# Altium PCB FYDP_rev1_revised_Cout.PcbDoc
Units mm, origin at the board's own origin, x right, y up, seen from the top; angles counter-clockwise.
Board outline 45 x 65 mm, 4 copper layers (Top Layer, GND1, GND2, Bottom Layer), stack 1.57 mm thick; 73 components, 47 nets, 221 pads, 198 vias.
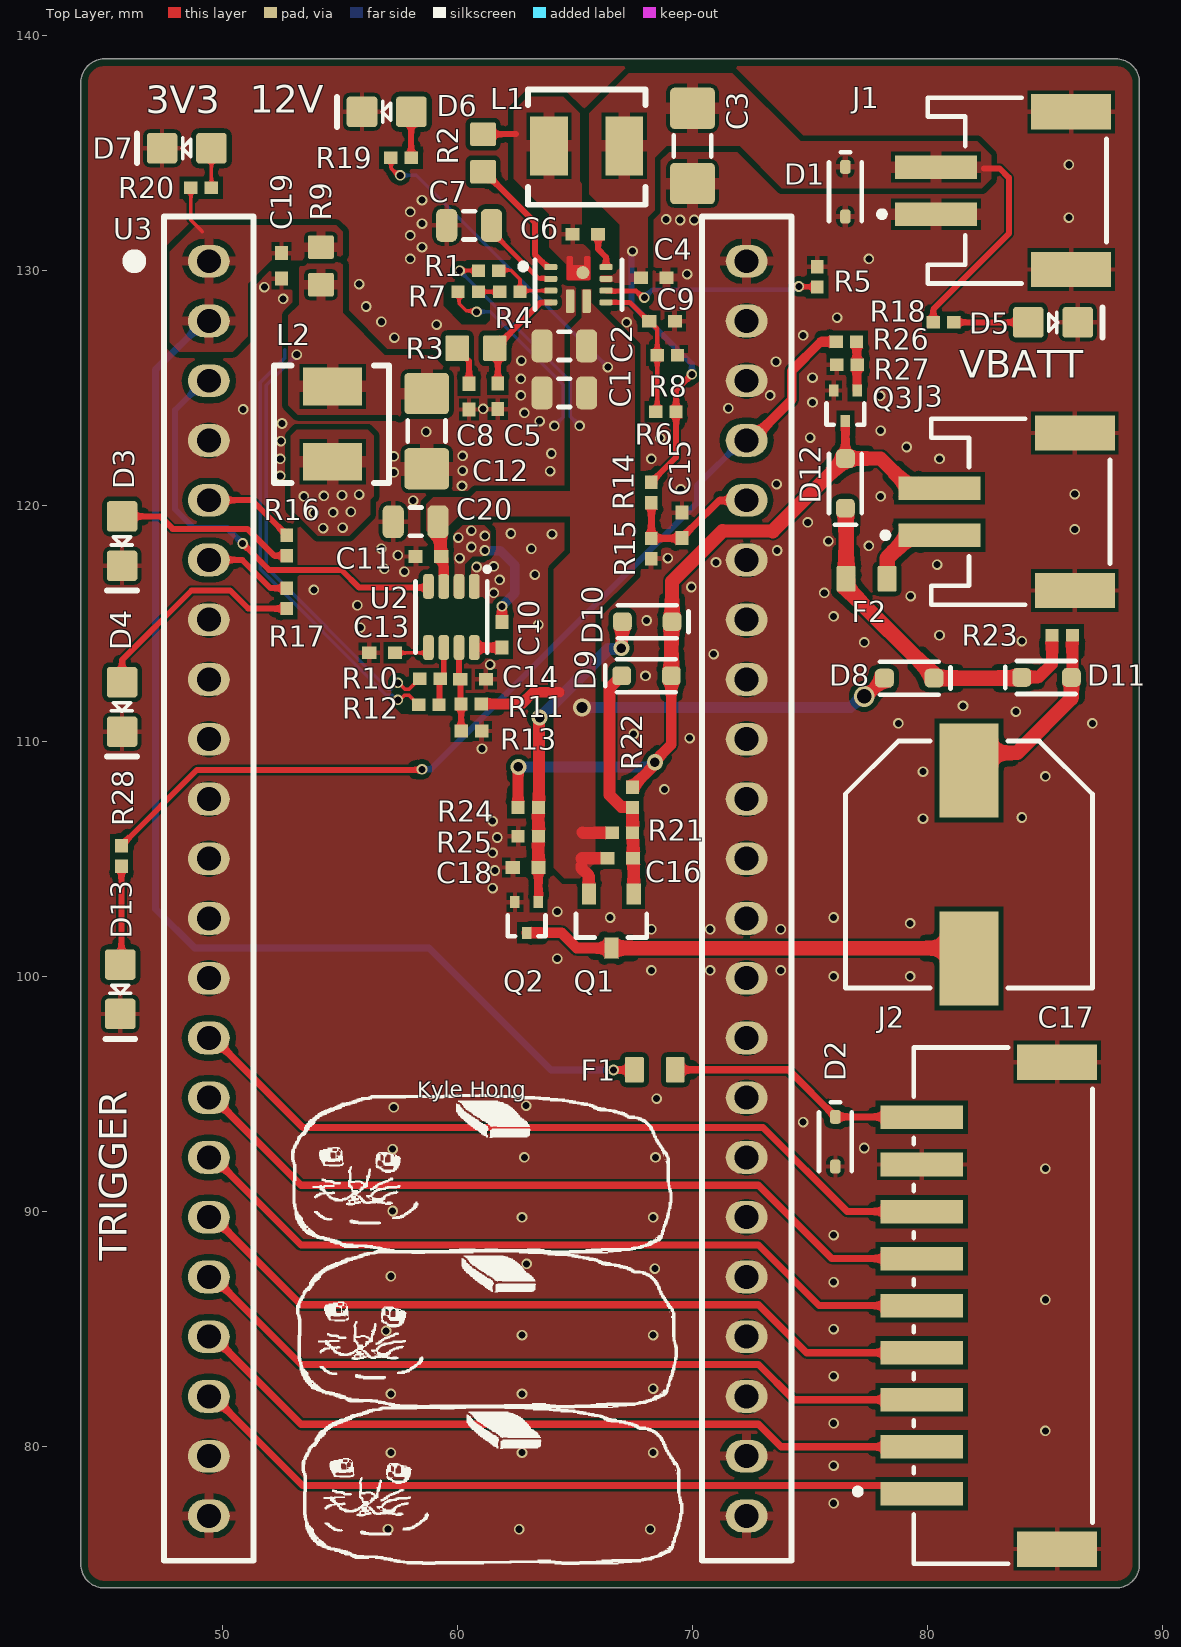
[diagram p0: Top Layer view]
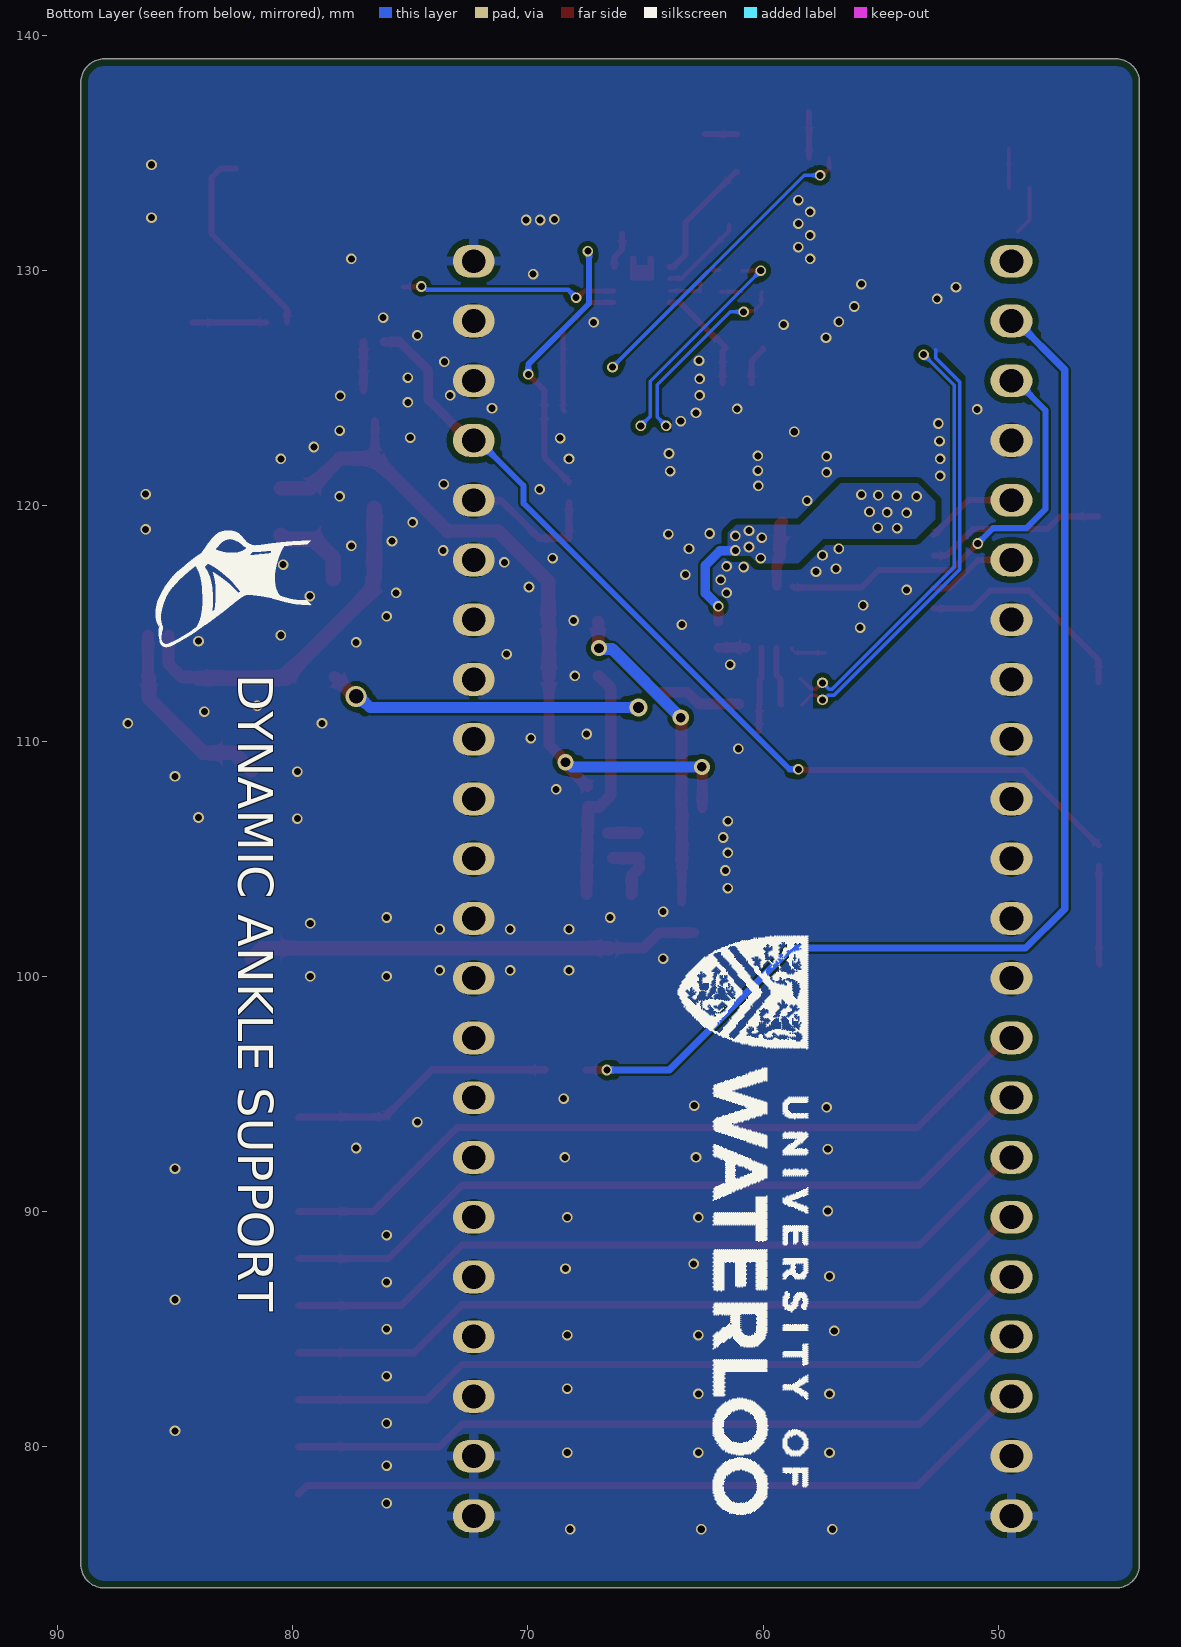
[diagram p1: Bottom Layer view, seen from below]
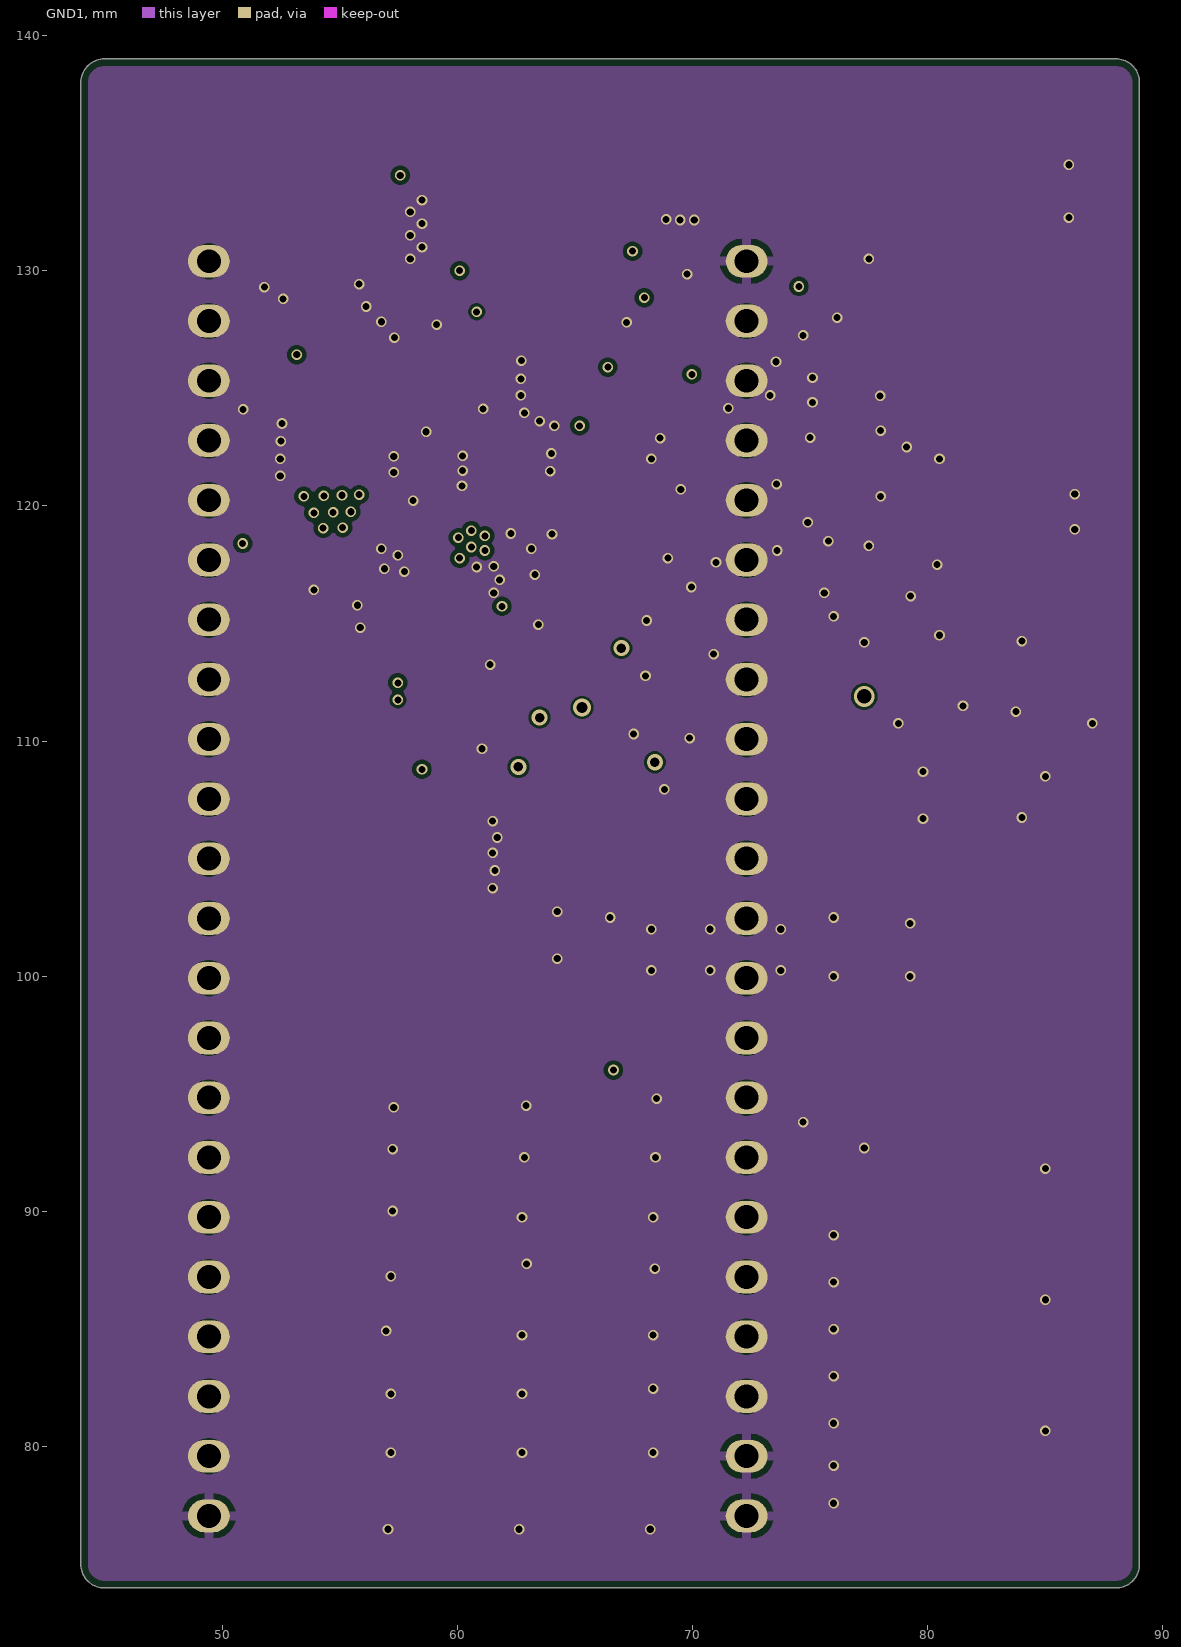
[diagram p2: GND1]
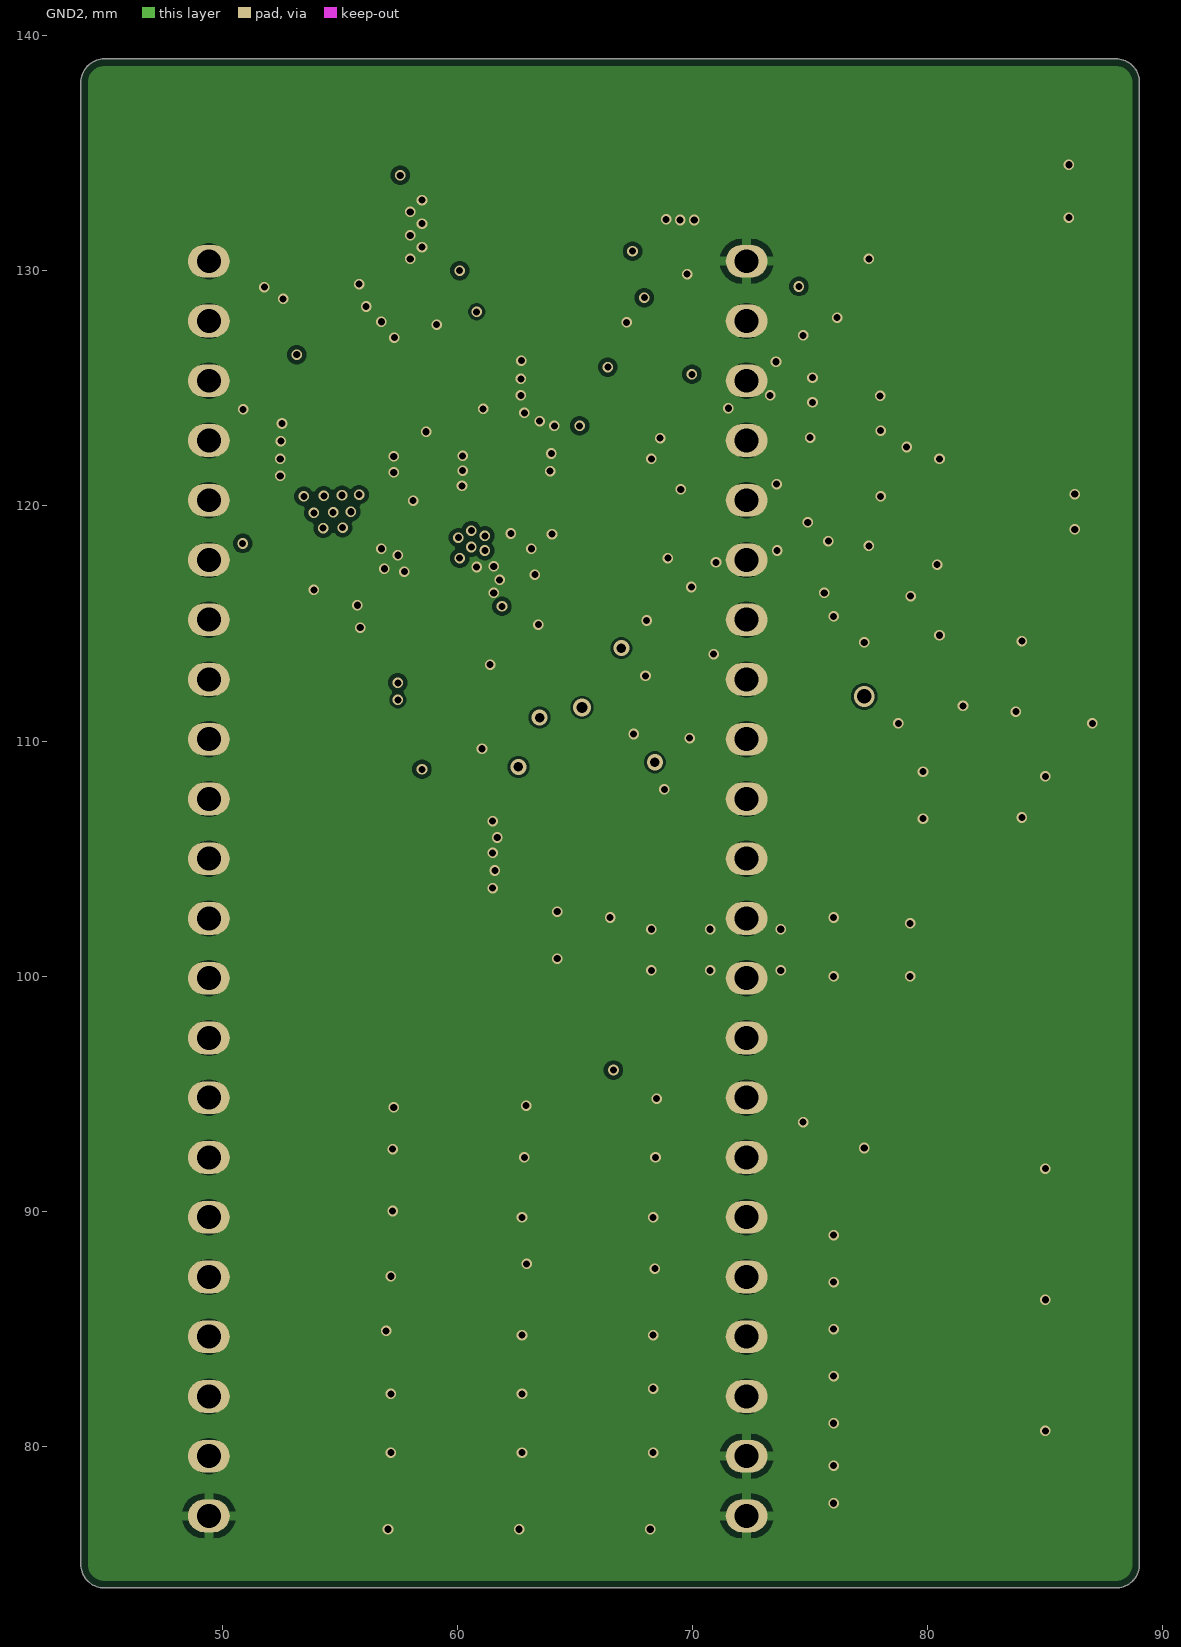
[diagram p3: GND2]
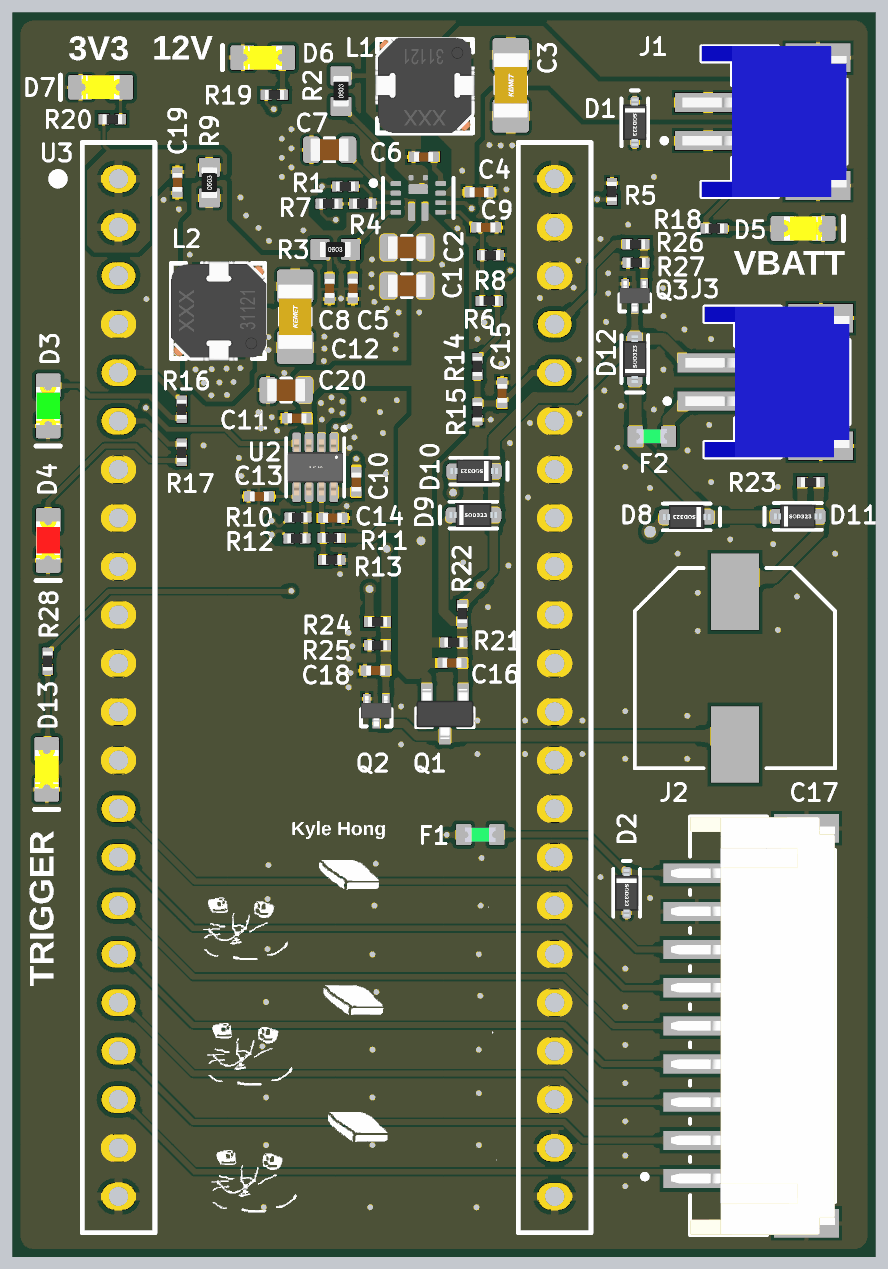
[diagram p4: 3D render of the assembled board from above, using the file's embedded part models]

## Layer stack, top to bottom
Top Solder: solder mask 0.0127, Solder Resist, Dk 3.8
Top Layer: signal copper 0.035
Dielectric 1: prepreg 0.2, 7628, Dk 4.6
GND1: signal copper 0.0175
Core: core 1.065, FR-4, Dk 4.5
GND2: signal copper 0.0175
Dielectric 2: prepreg 0.2, 7628, Dk 4.6
Bottom Layer: signal copper 0.035
Bottom Solder: solder mask 0.0127, Solder Resist, Dk 3.8

## Board outline
44,75 44,138 cw(c45,138) 45,139 88,139 cw(c88,138) 89,138 89,75 cw(c88,75) 88,74 45,74 cw(c45,75)

## Design rules (kind name [scope] priority, off if disabled: settings)
BoardOutlineClearance [All] p1: gap=0.3 ignorepadtopadclearanceinfootprint=FALSE
Clearance [All] p1: gap=0.254 ignorepadtopadclearanceinfootprint=FALSE except(0.09: Arc-Arc Arc-Track Arc-Fill Arc-Poly Arc-Region Track-Track Track-Fill Track-Poly Track-Region; 0.127: SMDPad-SMDPad; 0.2: Arc-SMDPad Arc-Via Track-SMDPad Track-Via SMDPad-Via SMDPad-Fill SMDPad-Poly SMDPad-Region Via-Via Via-Fill Via-Poly Via-Region; 0.33: Arc-THPad Track-THPad; 0.5: SMDPad-THPad THPad-THPad)
ComponentClearance [All] p1: gap=0.102 collisioncheckmode=3 verticalgap=0.102 showdistances=TRUE donotcheckwithout3dbody=TRUE
DiffPairsRouting [All] p1: maxlimit=0.102 minlimit=0.102 mostfreqgap=0.102 toplayer_minwidth=0.102 toplayer_maxwidth=1816.048 toplayer_prefwidth=0.102 midlayer1_minwidth=0.102 midlayer1_maxwidth=1816.048 midlayer1_prefwidth=0.102 midlayer2_minwidth=0.102 midlayer2_maxwidth=1816.048 midlayer2_prefwidth=0.102 bottomlayer_minwidth=0.102 bottomlayer_maxwidth=1816.048 bottomlayer_prefwidth=0.102 maxuncoupledlength=12.7
Height [All] p1: minheight=0 maxheight=1816.048 prefheight=12.7
HoleSize [All] p1: absolutevalues=TRUE maxlimit=6.3 minlimit=0.15 maxpercent=80.000 minpercent=20.000
HoleToHoleClearance [All] p1: gap=0.25 allowstackedmicrovias=FALSE
MinimumAnnularRing MinimumAnnularRing_via [IsVia] p1: minimumring=0.074
MinimumAnnularRing [Not IsVia] p2: minimumring=0.13
MinimumSolderMaskSliver [All] p1: minsoldermaskwidth=0
PlaneClearance [All] p1: clearance=0.102
PolygonConnect [All] p1: thpad.connectstyle=Relief thpad.reliefconductorwidth=0.406 thpad.reliefentries=4 thpad.polygonreliefangle="90 Angle" thpad.airgapwidth=0.254 smdpad.connectstyle=Relief smdpad.reliefconductorwidth=0.203 smdpad.reliefentries=4 smdpad.polygonreliefangle="90 Angle" smdpad.airgapwidth=0.152 via.connectstyle=Direct via.reliefconductorwidth=0.254 via.reliefentries=4 via.polygonreliefangle="90 Angle" via.airgapwidth=0.254
RoutingVias [All] p1: holewidth=0.3 width=0.45 viastyle="Through Hole" minholewidth=0.3 minwidth=0.45 maxholewidth=6.3 maxwidth=6.55
SilkToSilkClearance [All] p1: silktosilkclearance=0.102
SilkToSolderMaskClearance [IsPad] p1: minsilkscreentomaskgap=0.125 clearancetoexposedcopper=TRUE
SolderMaskExpansion [All] p1: expansion=0.038 istentingtop=FALSE
UnRoutedNet [All] p1: checkbadconnections=TRUE
Width [All] p1: maxlimit=3 minlimit=0.09 preferedwidth=0.152
20 further rules are at their usual default settings.

## Classes and differential pairs
component class Power: C1 C2 C3 C4 C5 C6 C7 C8 C9 C10 C11 C12 C13 C14 C20 D1 J1 L1 L2 R1 R2 R3 R4 R5 R6 R7 R8 R9 R10 R11 R12 R13 U2
component class MCU: C15 C19 D2 D3 D4 D5 D6 D7 D13 F1 J2 R14 R15 R16 R17 R18 R19 R20 R28 U3
component class Driver: C16 C17 C18 D8 D9 D10 D11 D12 F2 J3 Q1 Q2 Q3 R21 R22 R23 R24 R25 R26 R27

## Components (designator, comment, footprint, x,y, rotation, side; value= is the part's Value field where it differs from the comment)
C1 "CL21A106KAYNNNE" CAP0805 63.6,124.8 r0 top
C2 "CL21A106KAYNNNE" CAP0805 63.6,126.8 r0 top
C3 "CL31A476MPHNNNE" CAP1206 70,135.3 r90 top
C4 "CL05B104KB54PNC" CAP0402 68.9,129.7 r180 top
C5 "0402CG470J500NT" CAP0402 61.722,124.11 r90 top
C6 "CL05B104KB54PNC" CAP0402 65.99,131.55 r180 top
C7 "CL21A106KAYNNNE" CAP0805 59.55,131.925 r0 top
C8 "0402B102K500NT" CAP0402 60.5,124.1 r90 top
C9 "CL05B104KB54PNC" CAP0402 69.25,127.85 r180 top
C10 "CL05B104KB54PNC" CAP0402 61.9,115.065 r270 top
C11 "CL05B104KB54PNC" CAP0402 58.23,117.85 r0 top
C12 "CL31A476MPHNNNE" CAP1206 58.7,123.175 r90 top
C13 "0402B223K500NT" CAP0402 56.26,113.75 r0 top
C14 "CL05B104KB54PNC" CAP0402 61.215,112.625 r180 top
C15 "CL05B104KB54PNC" CAP0402 69.55,119.715 r270 top
C16 "CL05B104KB54PNC" CAP0402 67.475,105.025 r180 top
C17 "UUD1E471MNL1GS" NIC-CAPA2-10X10_V 81.75,104.75 r270 top
C18 "CL05B104KB54PNC" CAP0402 62.36,104.625 r0 top
C19 "CL05B104KB54PNC" CAP0402 52.525,129.66 r90 top
C20 "CL21A106KAYNNNE" CAP0805 57.275,119.325 r0 top
D1 "SD05-7" SD05-7 76.5,134.41 r270 top
D2 "SD05-7" SD05-7 76.075,94.025 r270 top
D3 "KT-0805G" LED_0805_GREEN 45.75,118.5 r270 top
D4 "NCD0805R1" LED_0805_RED 45.75,111.45 r270 top
D5 "KT-0805Y" LED_0805_YELLOW 85.325,127.8 r0 top
D6 "KT-0805Y" LED_0805_YELLOW 57,136.75 r180 top
D7 "KT-0805Y" LED_0805_YELLOW 48.5,135.2 r180 top
D8 "RB551V-40" SOD-323 80.27,112.675 r180 top
D9 "RB551V-40" SOD-323 66.99,112.775 r0 top
D10 "RB551V-40" SOD-323 69.131,115.075 r180 top
D11 "RB551V-40" SOD-323 83.996,112.706 r0 top
D12 "RB551V-40" SOD-323 76.5,119.9 r90 top
D13 "KT-0805Y" LED_0805_YELLOW 45.675,99.45 r270 top
F1 "0467001.NRHF" FUSE_0603 68.4,96.025 r180 top
F2 "0467001.NRHF" FUSE_0603 77.4,116.9 r0 top
J1 "S2B-PH-SM4-TB(LF)(SN)" "JST- S2B-PH-SM4-TB(LF)(SN)-2_V" 83.8,133.4 r90 top
J2 "S9B-PH-SM4-TB(LF)(SN)" FP-S9B-PH-SM4-TB_LF_SN-MFG 83.2,86 r270 top
J3 "S2B-PH-SM4-TB(LF)(SN)" "JST- S2B-PH-SM4-TB(LF)(SN)-2_V" 83.95,119.75 r90 top
L1 "TMPA0503S-3R3MN-D" TMPA0503S-3R3MN-D 67.1,135.3 r180 top
L2 "TMPA0503S-3R3MN-D" TMPA0503S-3R3MN-D 54.7,121.875 r90 top
Q1 "IRLML5103TRPBF" SOT23-3 66.55,102.35 r270 top
Q2 "DMN62D0UT-7" SOT-523 62.95,102.5 r180 top
Q3 "DMN62D0UT-7" SOT-523 76.5,124.25 r180 top
R1 "0402WGF1004TCE" RES0402 61.766,130 r180 top
R2 "0603WAF3303T5E" RES0603 61.1,134.2 r90 top
R3 "0603WAF2402T5E" RES0603 60,126.7 r0 top
R4 "0402WGF1003TCE" RES0402 61.8,129.1 r0 top
R5 "0402WGF1004TCE" RES0402 75.3,130.166 r270 top
R6 "0402WGF1502TCE" RES0402 68.434,124 r0 top
R7 "0402WGF1002TCE" RES0402 60.034,129.1 r0 top
R8 "0402WGF1002TCE" RES0402 69.366,126.4 r180 top
R9 "0603WAF0000T5E" RES0603 54.2,129.4 r90 top
R10 "0402WGF3302TCE" RES0402 59.275,112.65 r180 top
R11 "0402WGF5102TCE" RES0402 60.159,111.575 r0 top
R12 "0402WGF1002TCE" RES0402 58.359,111.55 r0 top
R13 "0402WGF1002TCE" RES0402 61.041,110.425 r180 top
R14 "0402WGF1002TCE" RES0402 68.25,121 r270 top
R15 "0402WGF3302TCE" RES0402 68.25,118.616 r270 top
R16 "0402WGF3300TCE" RES0402 52.75,117.884 r90 top
R17 "0402WGF5100TCE" RES0402 52.75,115.634 r90 top
R18 "0402WGF5100TCE" RES0402 81.1,127.8 r180 top
R19 "0402WGF2201TCE" RES0402 58.041,134.8 r180 top
R20 "0402WGF3300TCE" RES0402 49.541,133.525 r180 top
R21 "0402WGF5102TCE" RES0402 67.45,106.1 r180 top
R22 "0402WGF5100TCE" RES0402 67.45,107.175 r90 top
R23 "0402WGF1002TCE" RES0402 86.15,114.5 r180 top
R24 "0402WGF5100TCE" RES0402 63.45,107.175 r180 top
R25 "0402WGF5102TCE" RES0402 62.584,105.95 r0 top
R26 "0402WGF1000TCE" RES0402 76.109,126.975 r0 top
R27 "0402WGF1002TCE" RES0402 76.134,126 r0 top
R28 "0402WGF3300TCE" RES0402 45.725,104.684 r90 top
U2 "TPS563210ADDFR" TPS563210ADDFR 59.75,115.275 r270 top
U3 "ESP32-S3-WROOM-2-N32R8V" EPS32-S3-DevKitC 49.44,130.4 r0 top locked
